# Altium PCB Carte_Mere_light.PcbDoc (part 3 of 3)
Units mm, origin at the board's own origin, x right, y up, seen from the top; angles counter-clockwise.
Board outline 100 x 70 mm, 4 copper layers (Top Copper, Ground Plane, Power Plane, Bottom Copper), stack 1.57 mm thick; 52 components, 347 nets, 458 pads, 0 vias.
Unrouted connection lines stored in the file: 262.
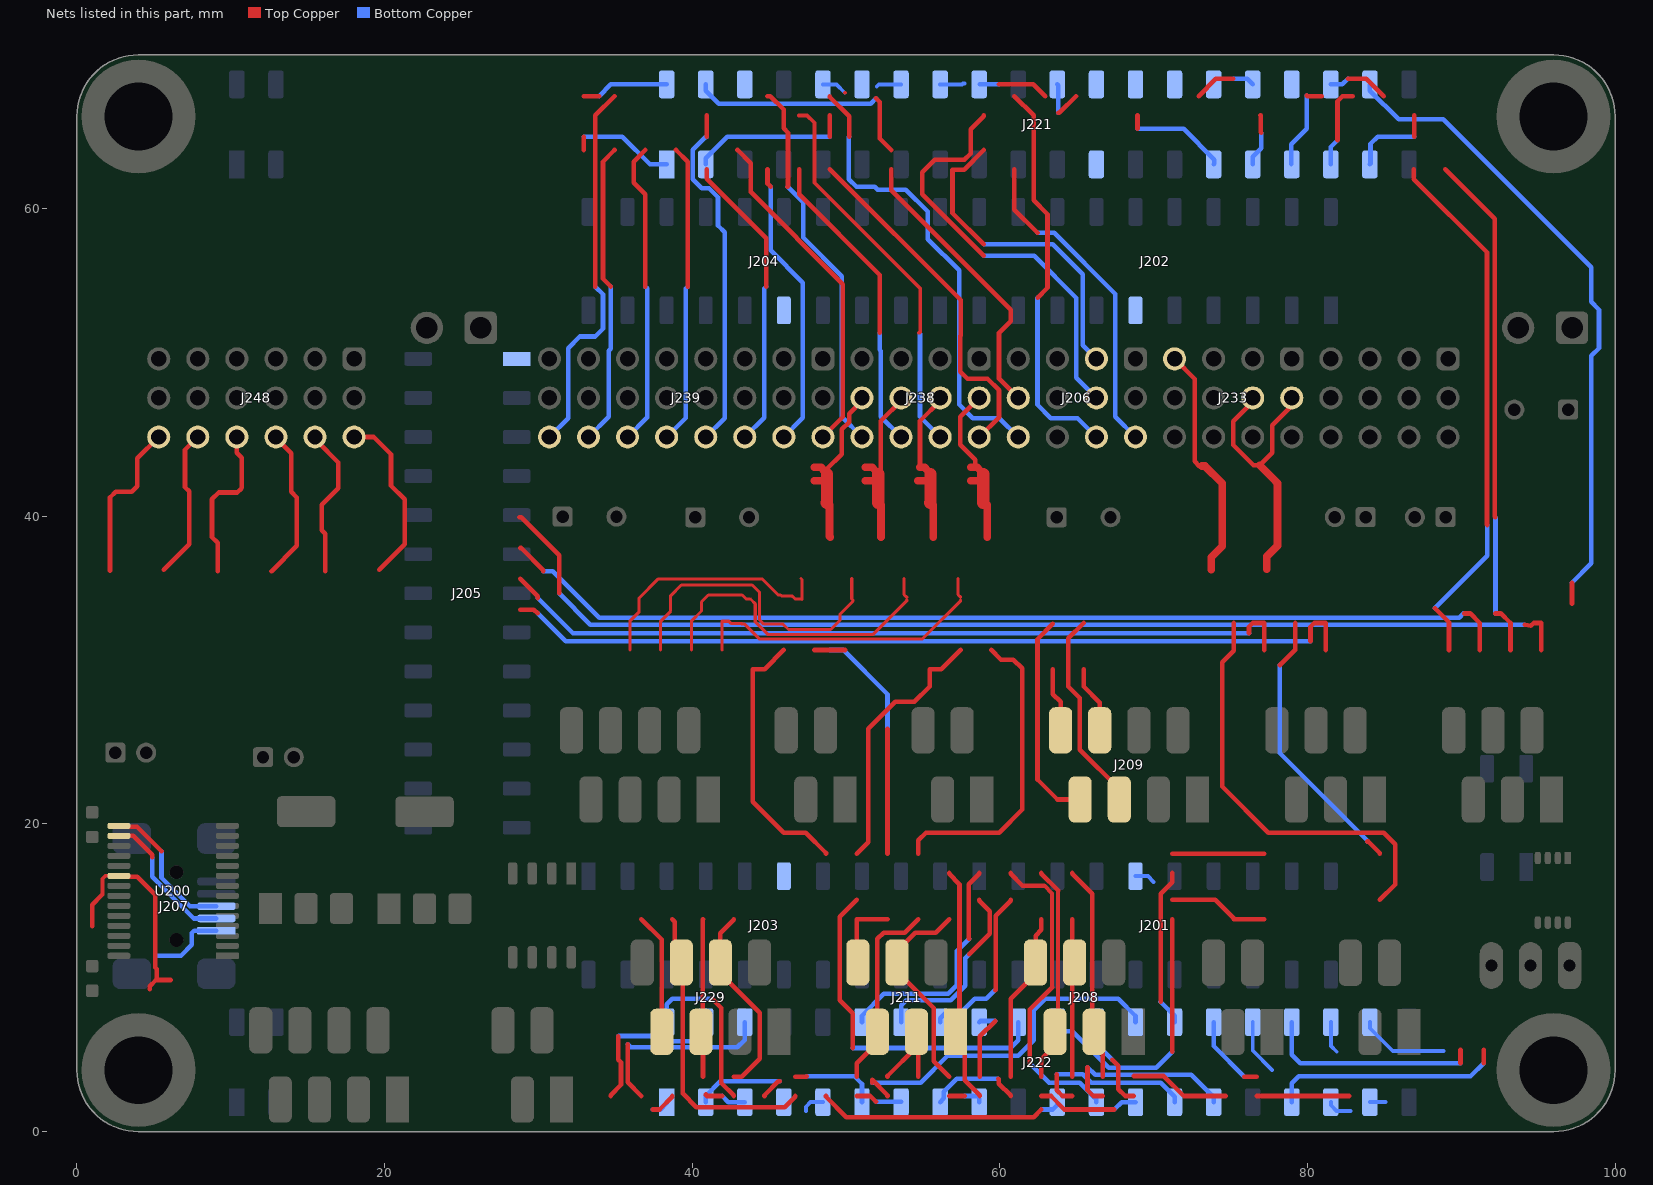
[diagram p5: the nets of this part, all layers, seen from the top]

## Nets (pads, with @x,y where several pads share a name; then routed paths per layer and width w, separated by ;. In a path a pad name is that pad's centre, name@x,y a point inside that pad or via, vN(x,y) a via of type N, cw(c..) or ccw(c..) an arc to the next point about the centre after c; other vN are vias at no path point) (continued)
PA1: J221.29 | length 7
  Top Copper w0.3: 68.95,65.19 68.95,66.065
  Bottom Copper w0.3: 68.95,65.19 71.95,65.19 73.95,63.19 73.95,62.93 J221.29@73.9,62.88
PA2: J222.36 | length 2.1
  Bottom Copper w0.25: J222.36@81.52,7.12 81.52,5.57 81.9,5.19
PA3: J222.38 | length 5.8
  Bottom Copper w0.25: J222.38@84.06,7.12 84.06,6.72 85.54,5.24 88.834,5.24
PA4: J221.31 | length 3.4
  Top Copper w0.3: 76.95,66.065 76.975,66.04 76.975,64.965 77,64.94
  Bottom Copper w0.3: J221.31@76.44,62.88 76.44,63.38 77,63.94 77,64.94
PA8: J222.24 | length 6.1
  Top Copper w0.3: 67.3,4.676 67.7,4.276 67.7,2.758 68.143,2.315 68.7,2.315
  Bottom Copper w0.3: J222.24@66.28,7.12 66.28,5.696 67.3,4.676
PA9: J222.22 | length 17.9
  Top Copper w0.3: 71.2,5.19 71.2,13.815
  Bottom Copper w0.3: J222.22@63.74,7.12 63.74,6.87 64.09,6.52 64.711,6.52 67.082,4.149 70.159,4.149 71.2,5.19
PA10: J222.34 | length 14.2
  Top Copper w0.3: 89.95,4.44 89.95,5.315
  Bottom Copper w0.3: J222.34@78.98,7.12 78.98,4.99 79.53,4.44 89.95,4.44
PA11: J222.13 | length 3
  Top Copper w0.3: 50.7,2.315 51.575,2.315 51.95,1.94
  Bottom Copper w0.3: 51.95,1.94 J222.13@53.58,1.94
PA12: J222.11 | length 5.7
  Top Copper w0.3: 46.7,3.565 47.425,3.565 47.45,3.59
  Bottom Copper w0.3: 47.45,3.59 50.55,3.59 51.04,3.1 J222.11@51.04,1.92
PA13: J221.14 | length 1.6
  Bottom Copper w0.25: 52,67.94 52.14,68.08 J221.14@53.58,68.08
PA14: J221.16 | length 1.6
  Bottom Copper w0.25: J221.16@56.12,68.08 57.54,68.08 57.6,68.14 57.7,68.14
PA15: J221.18 | length 4.6
  Top Copper w0.3: 59.95,68.08 62.185,68.08 62.95,67.315
  Bottom Copper w0.3: J221.18@58.7,68.08 59.95,68.08
PB0: J221.33 | length 5.9
  Top Copper w0.3: 79.95,67.362 79.997,67.315 80.93,67.315
  Bottom Copper w0.3: J221.33@78.95,62.91 78.95,64.19 79.95,65.19 79.95,67.362
PB1: J222.23 | length 20.4
  Top Copper w0.25: 62.87,15.99 62.896,15.99 63.4,15.487 63.4,9.39
  Top Copper w0.3: 60.7,16.815 60.7,16.765 61.475,15.99 62.87,15.99 ; 61.95,4.44 61.95,7.94 63.4,9.39
  Bottom Copper w0.3: 61.95,4.44 63.2,3.19 65.2,3.19 66.28,2.11 J222.23@66.28,1.92
PB1_SPARE: 
PB2: J222.21 | length 16.2
  Top Copper w0.3: 48.7,2.315 48.7,2.265 50.025,0.94 62.2,0.94 62.7,1.44
  Bottom Copper w0.3: 62.7,1.44 63.45,1.44 63.74,1.73 J222.21@63.74,1.92
PB3: J222.32 | length 3.6
  Bottom Copper w0.25: J222.32@76.44,7.12 76.44,5.27 77.7,4.01
PB4: J222.28 | length 10.4
  Top Copper w0.3: 70.45,8.44 70.45,15.472 71.2,16.222 71.2,16.815
  Bottom Copper w0.3: 70.447,8.438 71.36,7.525 J222.28@71.36,7.12
PB5: J222.30 | length 5.2
  Top Copper w0.3: 75.9,3.565 76.7,3.565
  Bottom Copper w0.3: J222.30@73.9,7.12 73.9,5.565 75.9,3.565
PB6: J222.18 | length 5.1
  Top Copper w0.3: 58.7,3.565 58.7,6.19 59.7,7.19
  Bottom Copper w0.3: J222.18@58.66,7.12 58.73,7.19 59.7,7.19
PB7: J221.22 | length 3.5
  Top Copper w0.3: 63.8,66.24 63.875,66.24 64.95,67.315
  Bottom Copper w0.3: J221.22@63.74,68.08 63.8,68.02 63.8,66.24
PB8: J222.4 | length 10.8
  Top Copper w0.3: 34.7,2.315 34.7,2.365 35.375,3.04 35.375,4.5 35.2,4.675 35.2,6.19
  Bottom Copper w0.3: 35.2,6.19 35.227,6.217 37.436,6.217 37.783,5.87 40.03,5.87 40.88,6.72 J222.4@40.88,7.12
PB9: J222.6 | length 12.8
  Top Copper w0.3: 35.8,5.69 35.8,3.215 36.7,2.315
  Bottom Copper w0.3: 35.8,5.69 36.01,5.48 42.94,5.48 43.42,5.96 J222.6@43.42,7.12
PB10: J222.26 | length 23
  Top Copper w0.3: 51.7,3.19 51.7,3.365 52.7,2.365 52.7,2.315
  Bottom Copper w0.3: 51.7,3.19 54.85,3.19 56.6,4.94 61.2,4.94 62.2,5.94 62.2,7.89 62.95,8.64 67.7,8.64 68.82,7.52 J222.26@68.82,7.12
PB11: J222.17 | length 2.3
  Top Copper w0.3: 56.7,2.315 57.7,2.315
  Bottom Copper w0.3: 57.7,2.315 58.535,2.315 58.66,2.19 J222.17@58.66,1.92
PB12: J222.15 | length 6.1
  Top Copper w0.3: 59.902,3.44 59.94,3.402 59.94,3.125 60.7,2.365 60.7,2.315
  Bottom Copper w0.3: J222.15@56.12,1.92 56.362,2.162 56.362,2.602 57.2,3.44 59.902,3.44
PB13: J222.29 | length 12
  Top Copper w0.3: 65.7,4.19 65.7,2.69 66.075,2.315 66.7,2.315
  Bottom Copper w0.3: 65.7,4.19 66.2,3.69 72.45,3.69 73.9,2.24 J222.29@73.9,1.92
PB14: J222.27 | length 10.8
  Top Copper w0.3: 63.7,3.74 63.7,2.69 64.075,2.315 64.7,2.315
  Bottom Copper w0.3: 63.7,3.74 65.4,3.74 65.95,3.19 70.45,3.19 71.36,2.28 J222.27@71.36,1.92
PB15: J222.25 | length 6.7
  Top Copper w0.3: 62.7,2.315 63.325,2.315 64.2,1.44 67.45,1.44
  Bottom Copper w0.3: 67.45,1.44 67.933,1.923 68.817,1.923 J222.25@68.82,1.92
PC0: J221.37 | length 5.8
  Top Copper w0.3: 86.95,64.69 86.95,66.065
  Bottom Copper w0.3: J221.37@84.06,62.88 84.1,62.92 84.1,64.23 84.56,64.69 86.95,64.69
PC1: J221.35 | length 5.4
  Top Copper w0.3: 81.95,64.44 81.95,66.99 82.275,67.315 82.95,67.315
  Bottom Copper w0.3: J221.35@81.52,62.88 81.52,64.01 81.95,64.44
PC2: J221.36 | length 4
  Top Copper w0.3: 82.633,68.44 83.825,68.44 84.95,67.315
  Bottom Copper w0.3: J221.36@81.52,68.08 82.273,68.08 82.633,68.44
PC3: J221.38 | length 42.4
  Top Copper w0.3: 97.2,34.315 97.2,35.69
  Bottom Copper w0.3: J221.38@84.06,68.08 84.06,67.68 85.927,65.813 88.827,65.813 98.45,56.19 98.45,53.94 98.95,53.44 98.95,50.94 98.45,50.44 98.45,36.94 97.2,35.69
PC4: J222.33 | length 15.1
  Top Copper w0.3: 91.45,4.44 91.45,5.315
  Bottom Copper w0.3: J222.33@78.98,1.92 78.98,3.14 79.43,3.59 90.6,3.59 91.45,4.44
PC5: J222.5 | length 2.8
  Top Copper w0.3: 40.9,2.44 40.9,2.365 40.95,2.315 41.95,2.315
  Bottom Copper w0.3: 41.95,2.315 42.345,1.92 J222.5@43.42,1.92
PC6: J222.3 | length 7
  Top Copper w0.3: 44.7,2.315 44.7,2.365 45.6,3.265 45.7,3.265
  Bottom Copper w0.3: J222.3@40.88,1.92 40.88,2.32 41.825,3.265 45.7,3.265
PC7: J222.20 | length 22.6
  Top Copper w0.3: 50.45,5.44 50.45,7.69 49.6,8.54 49.6,13.965 50.7,15.065
  Bottom Copper w0.3: 50.45,5.44 60.7,5.44 61.2,5.94 J222.20@61.2,7.12
PC8: J222.1 | length 2.7
  Top Copper w0.3: 37.45,1.44 37.875,1.44 38.7,2.265 38.7,2.315
  Bottom Copper w0.3: 37.45,1.44 37.455,1.435 37.915,1.435 J222.1@38.34,1.86
PC9: J222.2 | length 11.2
  Top Copper w0.3: 41.3,8.64 41.9,8.04 41.9,3.165 42.7,2.365 42.7,2.315
  Bottom Copper w0.3: J222.2@38.34,7.12 38.34,8.28 38.7,8.64 41.3,8.64
PC10: J221.2 | length 5.7
  Top Copper w0.3: 32.95,67.315 33.95,67.315
  Bottom Copper w0.3: 33.95,67.315 34.715,68.08 J221.2@38.34,68.08
PC11: J221.1 | length 7
  Top Copper w0.3: 32.95,63.815 32.95,64.69
  Bottom Copper w0.3: 32.95,64.69 35.45,64.69 37.26,62.88 J221.1@38.34,62.88
PC12: J221.4 | length 15.8
  Top Copper w0.3: 51.95,67.19 52.2,66.94 52.2,64.565 52.95,63.815
  Bottom Copper w0.3: J221.4@40.88,68.08 40.88,67.68 41.73,66.83 51.597,66.83 51.95,67.183 51.95,67.19
PC13: J221.24
PC14: J221.26
PC15: J221.28
PD2: J221.3 | length 10.4
  Top Copper w0.3: 48.95,64.69 48.95,66.065
  Bottom Copper w0.3: J221.3@40.88,62.88 40.88,63.28 41.752,64.152 41.752,64.168 42.275,64.69 48.95,64.69
PD8: J222.9 | length 1.5
  Bottom Copper w0.25: 47.4,1.34 47.4,1.62 47.7,1.92 J222.9@48.5,1.92
PF0: J221.30
PF1: J221.32 | length 4.1
  Top Copper w0.3: 72.921,67.315 74.046,68.44 75.168,68.44
  Bottom Copper w0.3: 75.168,68.44 76.09,68.44 76.44,68.09 J221.32@76.44,68.08
PF4: J222.37 | length 1
  Bottom Copper w0.25: J222.37@84.06,1.92 85.08,1.92
PF5: J222.35 | length 1.6
  Bottom Copper w0.25: J222.35@81.52,1.92 81.52,1.713 81.893,1.34 82.79,1.34
PF6: J221.10 | length 1.7
  Top Copper w0.25: 49.915,67.54 49.95,67.54
  Bottom Copper w0.25: J221.10@48.5,68.08 49.375,68.08 49.915,67.54
PF7: J221.12
PROP_DIR1: J211.5 | length 12.7
  Top Copper w0.3: 50.7,3.565 50.7,4.44 52.04,5.78 J211.5@52.04,6.49 52.04,12.53 52.45,12.94 53.825,12.94 54.7,13.815
PROP_DIR2: J211.6 | length 4.9
  Top Copper w0.3: J211.6@50.77,10.99 50.7,11.06 50.7,13.815 52.7,13.815
PROP_EN: J211.1 | length 15.6
  Top Copper w0.3: 56.7,16.815 56.7,16.765 57.375,16.09 57.375,6.865 J211.1@57,6.49 ; J211.1@57.12,6.49 57.72,5.89 57.72,3.345 58.7,2.365 58.7,2.315
PROP_S1-Rx: J211.3 | length 5.7
  Top Copper w0.3: 52.7,3.565 52.7,3.615 J211.3@54.58,5.495 ; J211.3@54.58,6.49 J211.3@54.58,5.495 ; 54.7,3.565 54.7,5.375 J211.3@54.58,5.495
PROP_S2-Tx: J211.4 | length 13.8
  Top Copper w0.3: 56.7,3.565 55.7,4.565 55.7,8.04 53.31,10.43 J211.4@53.31,10.99 53.31,11.74 54.51,12.94 55.825,12.94 56.7,13.815
PWR_Servo_1: J238.2 | length 10.9
  Top Copper w0.3: 58.4,43.14 58.4,43.19 58.4,43.681 57.43,44.651 57.43,46.47 J238.2@58.66,47.7
  Top Copper w0.5: 58.1,42.32 58.534,42.32 ; 58.1,43.19 58.4,43.19 58.534,43.19 58.927,42.755 ; 59.176,38.66 59.176,40.74
  Top Copper w0.8: 58.902,40.876 58.927,40.901 58.927,42.755
PWR_Servo_2: J238.5 | length 10.3
  Top Copper w0.3: 54.81,43.19 54.81,46.198 56.12,47.508 J238.5@56.12,47.7
  Top Copper w0.5: 54.671,42.32 55.105,42.32 ; 54.81,43.19 55.105,43.19 55.498,42.755 ; 55.676,38.66 55.676,40.74
  Top Copper w0.8: 55.473,40.876 55.498,40.901 55.498,42.755
PWR_Servo_3: J238.8 | length 10.7
  Top Copper w0.3: 52.27,42.94 52.27,46.198 53.58,47.508 J238.8@53.58,47.7
  Top Copper w0.5: 51.273,42.32 51.707,42.32 ; 51.273,43.19 51.707,43.19 52.1,42.755 ; 52.276,38.66 52.276,40.74
  Top Copper w0.8: 52.075,40.876 52.1,40.901 52.1,42.755
PWR_Servo_4: J238.11 | length 11.3
  Top Copper w0.3: 48.767,42.755 48.767,43.086 49.73,44.049 49.73,45.655 50.2,46.125 50.2,46.668 51.04,47.508 J238.11@51.04,47.7
  Top Copper w0.5: 47.94,42.32 48.374,42.32 ; 47.94,43.19 48.374,43.19 48.602,42.937 48.767,42.755 ; 48.926,40.74 48.926,38.71 48.976,38.66
  Top Copper w0.8: 48.742,40.876 48.767,40.901 48.767,42.755
QEI_M1_A:  | length 17.3
  Top Copper w0.3: 45.96,31.315 44.71,30.065 43.95,30.065 43.95,21.44 45.95,19.44 47.375,19.44 48.7,18.115 48.7,18.065
QEI_M1_B:  | length 17.3
  Top Copper w0.3: 47.95,31.315 48.95,31.315 49.95,31.315 ; 52.7,18.065 52.7,26.19
  Bottom Copper w0.3: 48.95,31.315 49.825,31.315 52.7,28.44 52.7,26.19
QEI_M2_A:  | length 17.2
  Top Copper w0.3: 50.7,18.065 51.45,18.815 51.45,26.19 53.2,27.94 54.45,27.94 55.45,28.94 55.45,30.065 56.2,30.065 57.45,31.315
QEI_M2_B:  | length 20.1
  Top Copper w0.3: 54.7,18.065 54.7,18.94 55.2,19.44 59.95,19.44 61.45,20.94 61.45,30.065 61.45,30.115 60.875,30.69 60.075,30.69 59.45,31.315
QEI_P1_A:  | length 6.5
  Top Copper w0.3: 71.2,15.065 73.15,15.065 74,15.065 75.2,13.865 75.2,13.815 77.2,13.815
QEI_P1_B:  | length 6.5
  Top Copper w0.3: 68.7,3.615 70.65,3.615 70.7,3.565 71.95,2.315 72.7,2.315 72.705,2.32 74.695,2.32 74.7,2.315
QEI_P2_A:  | length 6
  Top Copper w0.3: 71.2,18.065 73.15,18.065 75.2,18.065 77.2,18.065
QEI_P2_B:  | length 6
  Top Copper w0.3: 76.7,2.315 78.7,2.315 80.7,2.315 82.7,2.315
Servo_1: J238.3 | length 23.3
  Top Copper w0.3: 48.95,62.565 57.45,54.065 57.45,51.748 57.43,51.728 57.43,49.41 57.9,48.94 59.2,48.94 59.95,48.19 59.95,46.45 J238.3@58.66,45.16
Servo_2: J238.6 | length 25
  Top Copper w0.25: 46.95,66.065 47.475,66.065 47.95,65.59 47.95,61.69 54.825,54.815 54.825,51.98 54.785,51.94 54.735,51.94
  Bottom Copper w0.3: 54.81,51.865 54.81,46.47 J238.6@56.12,45.16
Servo_3: J238.9 | length 20.2
  Top Copper w0.3: 46.95,62.565 46.95,60.94 52.2,55.69 52.2,51.94
  Bottom Copper w0.3: 52.2,51.94 52.2,50.819 52.27,50.749 52.27,46.47 J238.9@53.58,45.16
Servo_4: J238.12 | length 24.8
  Top Copper w0.3: 44.9,67.315 45.086,67.315 45.95,66.451 45.95,65.222 46.227,64.945 46.227,61.467 46.2,61.44
  Bottom Copper w0.3: 46.2,61.44 47.21,60.43 47.21,58.128 49.73,55.608 49.73,46.47 J238.12@51.04,45.16
Servo_5: J239.3 | length 22.1
  Top Copper w0.3: 42.95,63.815 43.8,62.965 43.8,61.09 49.8,55.09 49.8,46.46 J239.3@48.5,45.16 J239.3@48.432,45.092
Servo_6: J239.6 | length 18.9
  Top Copper w0.3: 44.9,62.565 44.9,61.64 45.1,61.44
  Bottom Copper w0.3: 45.1,61.44 45.1,57.29 47.2,55.19 47.2,46.4 J239.6@45.96,45.16
Servo_7: J239.9 | length 19.6
  Top Copper w0.3: 40.95,62.565 40.95,61.94 44.805,58.085 44.805,54.94
  Bottom Copper w0.3: J239.9@43.42,45.16 44.68,46.42 44.68,54.815 44.805,54.94
Servo_8: J239.12 | length 23
  Top Copper w0.3: 40.95,64.69 40.95,66.065
  Bottom Copper w0.3: J239.12@40.88,45.16 42.11,46.39 42.11,58.478 41.68,58.908 41.68,60.756 41.097,61.339 40.613,61.339 40.03,61.923 40.03,63.837 40.844,64.652 40.912,64.652 40.95,64.69
Servo_9: J239.15 | length 19.5
  Top Copper w0.3: 38.95,63.815 39.7,63.065 39.7,54.935
  Bottom Copper w0.3: J239.15@38.34,45.16 39.575,46.395 39.575,54.81 39.7,54.935
Servo_10: J239.18 | length 19.9
  Top Copper w0.3: 36.95,63.815 36.2,63.065 36.2,61.69 36.955,60.935 36.955,54.935
  Bottom Copper w0.3: J239.18@35.8,45.16 37.07,46.43 37.07,54.82 36.955,54.935
Servo_11: J239.21 | length 19.8
  Top Copper w0.3: 34.7,54.94 34.2,55.44 34.2,63.065 34.95,63.815
  Bottom Copper w0.3: J239.21@33.26,45.16 34.57,46.47 34.57,50.775 34.7,50.905 34.7,54.94
Servo_12: J239.24 | length 24.9
  Top Copper w0.3: 33.7,54.935 33.7,60.19 33.7,66.065 34.95,67.315
  Bottom Copper w0.3: J239.24@30.72,45.16 31.95,46.39 31.95,50.94 32.7,51.69 33.7,51.69 34.2,52.19 34.2,54.435 33.7,54.935
Servo_Curr_1:  | length 20.2
  Top Copper w0.2: 41.95,31.315 41.95,33.19 41.958,33.182 42.383,33.182 42.517,33.048 43.206,33.048 43.264,32.99 ; 43.25,32.99 43.264,32.99 ; 57.276,35.96 57.276,34.914 57.45,34.74 ; 57.45,34.565 57.45,34.515 54.975,32.04 44.359,32.04 43.409,32.99 43.264,32.99
Servo_Curr_2:  | length 20.9
  Top Copper w0.2: 39.95,31.315 39.95,33.19 40.605,33.845 40.605,34.445 41.05,34.89 43.25,34.89 43.5,34.64 43.767,34.64 43.817,34.59 43.822,34.59 44.1,34.312 44.1,33.14 44.91,32.33 51.765,32.33 53.95,34.515 53.95,34.565 ; 53.776,35.96 53.776,34.914 53.95,34.74
Servo_Curr_3:  | length 20.7
  Top Copper w0.2: 37.95,31.315 37.95,33.19 38.6,33.84 38.6,34.84 39.3,35.54 43.9,35.54 44.39,35.05 44.39,33.26 44.66,32.99 45.909,32.99 46.259,32.64 49,32.64 49.605,33.245 49.605,33.645 50.45,34.49 50.45,34.565 50.376,34.639 50.376,35.96
Servo_Curr_4:  | length 16.7
  Top Copper w0.2: 35.95,31.315 35.95,33.19 36.55,33.79 36.55,34.69 37.8,35.94 44.541,35.94 45.3,35.181 45.591,34.89 45.75,34.89 45.808,34.832 46.483,34.832 46.692,34.623 47.105,34.623 47.138,34.59 47.138,35.898 47.076,35.96
SigCAPT_7: J248.3 | length 11.4
  Top Copper w0.3: J248.3@18.02,45.16 19.3,45.16 20.42,44.04 20.42,42.003 21.305,41.118 21.305,38.18 19.655,36.53
SigCAPT_8: J248.6 | length 9.8
  Top Copper w0.3: J248.6@15.66,45.16 15.66,44.842 17,43.502 17,41.82 15.93,40.75 15.93,39.1 16.155,38.875 16.155,36.43
SigCAPT_9: J248.9 | length 9.9
  Top Copper w0.3: 12.655,36.43 14.305,38.08 14.305,41.225 13.93,41.6 13.93,44.11 13.12,44.92 J248.9@13.12,45.16
SigCAPT_10: J248.12 | length 10.5
  Top Copper w0.3: 9.155,36.43 9.155,38.285 8.78,38.66 8.78,41.1 9.232,41.552 10.433,41.552 10.678,41.797 10.678,41.81 10.726,41.858 10.726,43.814 10.4,44.14 J248.12@10.4,45.16
SigCAPT_11: J248.15 | length 9.8
  Top Copper w0.3: 5.655,36.53 7.305,38.18 7.305,41.625 7.03,41.9 7.03,44.33 J248.15@7.86,45.16
SigCAPT_12: J248.18 | length 10.6
  Top Copper w0.3: 2.155,36.47 2.155,38.18 2.155,41.225 2.53,41.6 3.567,41.6 3.933,41.966 3.933,43.773 J248.18@5.32,45.16
SPI1_MISO: J222.14 | length 12.3
  Top Copper w0.3: 58,11.54 58.005,11.54 59.335,12.87 59.335,14.34 58.66,15.015 58.66,15.065
  Bottom Copper w0.3: J222.14@53.58,7.12 53.58,8.208 53.922,8.55 56.81,8.55 57.745,9.485 57.745,11.285 58,11.54
SPI1_MOSI: J222.16 | length 10.9
  Top Copper w0.3: 59.7,9.19 59.725,9.215 59.725,14.04 60.7,15.015 60.7,15.065
  Bottom Copper w0.3: J222.16@56.12,7.12 56.12,7.37 56.47,7.72 57.453,7.72 58.373,8.64 59.129,8.64 59.679,9.19 59.7,9.19
SPI1_SCK: J222.12 | length 15.3
  Top Copper w0.3: 58,12.54 57.985,12.555 57.985,16.09 58.66,16.765 58.66,16.815
  Bottom Copper w0.3: J222.12@51.04,7.12 51.04,7.54 52.46,8.96 56.636,8.96 57.2,9.524 57.2,11.74 58,12.54
SPI2_CS_1: J208.6 | length 11.1
  Top Copper w0.3: 60.7,3.565 60.7,8.64 62.325,10.265 J208.6@62.325,10.99 62.325,12.74 62.7,13.115 62.7,13.815
SPI2_MISO: J208.4 | length 10.4
  Top Copper w0.3: 64.7,3.565 64.7,10.825 J208.4@64.865,10.99 64.7,11.155 64.7,13.815
SPI2_MOSI: J208.5 | length 14.1
  Top Copper w0.25: J208.5@63.78,6.635 63.79,6.645 63.79,15.675
  Top Copper w0.3: 62.7,3.565 62.7,4.723 63.595,5.618 J208.5@63.595,6.49 J208.5@63.74,6.635 ; 62.7,16.815 62.7,16.765 63.79,15.675
SPI2_SCK: J208.3 | length 14.1
  Top Copper w0.3: 64.7,16.815 64.7,16.765 66,15.465 66,6.625 J208.3@66.135,6.49 66.152,6.473 66.152,5.638 66.7,5.09 66.7,3.565
SPI3_CS_1: J206.6 | length 25.9
  Top Copper w0.3: 60.95,67.315 62.2,66.065 62.2,60.551 63.1,59.651 63.1,54.86 62.46,54.22 62.46,54.2
  Bottom Copper w0.3: 62.45,54.21 62.45,47.251 63.311,46.39 65.05,46.39 J206.6@66.28,45.16
SPI3_MISO: J206.4 | length 21.4
  Top Copper w0.3: 58.95,57.69 56.925,59.715 56.925,62.365 56.925,62.54 57.675,62.54 58.95,63.815
  Bottom Copper w0.3: 58.95,57.69 63.45,57.69 65.4,55.74 65.4,51.12 J206.4@66.28,50.24
SPI3_MOSI: J206.5 | length 27.8
  Top Copper w0.3: 58.95,56.94 54.947,60.943 54.947,62.365 55.772,63.19 57.7,63.19 58.1,63.59 58.1,65.165 58.95,66.015 58.95,66.065
  Bottom Copper w0.3: 58.95,56.94 62.225,56.94 64.97,54.195 64.97,49.01 J206.5@66.28,47.7
SPI3_SCK: J206.3 | length 21.3
  Top Copper w0.3: 60.95,62.565 60.95,59.94 62.45,58.44
  Bottom Copper w0.3: 62.45,58.44 63.525,58.44 67.51,54.455 67.51,46.47 J206.3@68.82,45.16
SSI_M1_CLK1:  | length 56
  Top Copper w0.3: 28.825,33.94 29.7,33.94 29.95,33.69 ; 80.2,31.89 80.2,32.815 80.45,33.065 81.2,33.065 81.2,31.315
  Bottom Copper w0.3: 29.97,33.69 31.77,31.89 80.2,31.89
SSI_M1_CLK2:  | length 52.2
  Top Copper w0.3: 28.825,35.94 29.95,34.815 29.95,34.69 ; 76.2,32.39 76.2,32.815 76.45,33.065 77.2,33.065 77.2,31.315
  Bottom Copper w0.3: 29.95,34.69 32.25,32.39 76.2,32.39
SSI_M1_DAT1:  | length 18.2
  Top Copper w0.3: 78.2,30.34 78.225,30.34 79.2,31.315 79.2,33.065 ; 83.888,18.865 83.95,18.865 84.7,18.115 84.7,18.065
  Bottom Copper w0.3: 78.2,30.34 78.2,24.615 83.888,18.927 83.888,18.865
SSI_M1_DAT2:  | length 27.8
  Top Copper w0.3: 75.2,33.065 75.2,31.315 75.2,31.265 74.45,30.515 74.45,22.44 77.45,19.44 84.95,19.44 85.7,18.69 85.7,16.065 84.7,15.065
SSI_M2_CLK1:  | length 72.6
  Top Copper w0.3: 28.775,39.94 28.825,39.94 28.875,39.94 31.35,37.465 31.35,34.99 ; 94.13,32.965 94.525,32.89 94.7,33.065 95.2,33.065 95.2,31.315
  Bottom Copper w0.3: 31.35,34.99 33.375,32.965 94.13,32.965
SSI_M2_CLK2:  | length 66.4
  Top Copper w0.3: 28.825,37.94 28.875,37.94 30.325,36.49 30.325,36.44 ; 90.2,33.688 90.577,33.688 91.2,33.065 91.2,31.315
  Bottom Copper w0.3: 30.325,36.44 30.925,36.44 33.952,33.413 89.871,33.413 90.146,33.688 90.2,33.688
SSI_M2_DAT1:  | length 33.3
  Top Copper w0.3: 88.95,62.565 92.17,59.345 92.17,39.97 92.2,39.94 ; 92.2,33.688 92.577,33.688 93.2,33.065 93.2,31.315
  Bottom Copper w0.3: 92.2,33.688 92.227,33.715 92.227,39.913 92.2,39.94
SSI_M2_DAT2:  | length 35
  Top Copper w0.3: 86.92,62.565 86.92,61.921 91.673,57.168 91.673,39.467 91.7,39.44 ; 88.288,34.021 88.294,34.021 89.2,33.115 89.2,33.065 89.2,31.315
  Bottom Copper w0.3: 88.288,34.021 91.7,37.434 91.7,39.44
STM_Rx: J206.12 | length 30
  Top Copper w0.3: 48.95,67.315 48.95,67.265 50.2,66.015 50.2,64.69
  Bottom Copper w0.3: 50.2,64.69 50.19,64.68 50.19,61.923 50.683,61.43 51.862,61.43 52.052,61.24 53.896,61.24 55.32,59.816 55.32,58.02 57.35,55.99 57.35,47.271 58.231,46.39 59.97,46.39 J206.12@61.2,45.16
STM_Tx: J206.11 | length 18.9
  Top Copper w0.3: 52.95,62.565 52.95,61.19 60.7,53.44 60.7,52.69 59.95,51.94 59.95,48.95 J206.11@61.2,47.7
SW_1: J229.5 | length 10.4
  Top Copper w0.3: 40.7,3.565 40.7,6.355 J229.5@40.565,6.49 40.69,6.615 40.69,13.805 40.7,13.815
SW_2: J229.6 | length 19.6
  Top Copper w0.3: 38.7,13.815 38.875,13.64 38.875,11.433 39.375,10.933 39.375,2.483 40.268,1.59 46.025,1.59 46.7,2.265 46.7,2.315
SW_3: J229.7 | length 7.9
  Top Copper w0.3: 36.7,13.815 38.025,12.49 J229.7@38.025,6.49
SW_TIRETTE: J229.4 | length 12.7
  Top Copper w0.3: 42.7,3.565 43.225,3.565 44.4,4.74 44.4,7.74 41.835,10.305 J229.4@41.835,10.99 41.835,12.9 42.7,13.765 42.7,13.815
ToF_DS_1: J209.5 | length 13.3
  Top Copper w0.3: 65.45,33.065 64.45,32.065 64.45,28.94 65.2,28.19 65.2,24.84 67.765,22.275 J209.5@67.765,21.59
ToF_DS_2: J209.6 | length 4.4
  Top Copper w0.3: 65.45,30.065 65.45,28.94 66.495,27.895 J209.6@66.495,26.09
ToF_DS_3: J209.7 | length 13.9
  Top Copper w0.3: 63.45,33.015 62.45,32.015 62.45,22.89 63.75,21.59 J209.7@65.225,21.59
ToF_DS_4: J209.8 | length 4.2
  Top Copper w0.3: 63.45,30.065 63.45,28.44 63.955,27.935 J209.8@63.955,26.09
U5V: J222.7
USB_N: J207.2 U200.16 | length 9.4
  Top Copper w0.3: U200.16@2.73,19.23 3.66,19.23 4.9,17.99 4.9,17.84
  Bottom Copper w0.3: 4.9,17.84 4.9,16.562 7.603,13.859 J207.2@9.07,13.859
USB_P: J207.3 U200.15 | length 9.5
  Top Copper w0.3: U200.15@2.73,19.88 2.78,19.83 3.91,19.83 5.5,18.24
  Bottom Copper w0.3: 5.5,18.24 5.5,16.514 7.355,14.659 J207.3@9.07,14.659
VBAT: J221.34
VCC_3V3_1: J201.9 | length 1.3
  Bottom Copper w0.25: J201.9@68.82,16.61 69.63,16.61 70,16.24
VCC_3V3_2: J204.9
VCC_3V3_3: J205.1
VCC_5V_1: J203.11
VCC_5V_2: J202.11
VCC_EXT_1: J233.2 J233.5 | length 18.6
  Top Copper w0.3: J233.5@76.44,47.7 76.44,47.446 75.17,46.176 75.17,44.64 76.494,43.316 76.694,43.316 76.894,43.316 77.71,44.132 77.71,45.922 78.98,47.192 J233.2@78.98,47.7
  Top Copper w0.5: 76.894,43.316 77.77,42.44 78.05,42.16 78.05,41.69 78.05,38.844 ; 77.352,36.564 77.352,37.392 78.052,38.092 78.052,38.844
VCC_EXT_2: J233.10 | length 15.5
  Top Copper w0.3: J233.10@71.36,50.24 72.67,48.93 72.67,43.57 72.97,43.27 73.138,43.27
  Top Copper w0.5: 73.138,43.27 73.338,43.27 74.45,42.158 74.45,41.69 74.45,38.861 74.45,38.05 73.75,37.35 73.75,36.54
VDD: J221.6
VIN: J221.23
VUSB: J207.1 U200.20 | length 19.8
  Top Copper w0.23: 1.63,15.39 1.665,15.425 1.665,16.438 1.857,16.63 U200.20@2.73,16.63
  Top Copper w0.3: 0.995,13.355 0.995,14.705 0.995,14.755 1.63,15.39 ; U200.20@2.68,16.58 U200.20@2.73,16.63 2.78,16.58 3.923,16.58 5.1,15.403 5.1,11.44 5.1,10.673 5.2,10.573 5.2,9.86 ; 4.745,9.259 4.745,9.459 5.145,9.859 6.095,9.859
  Bottom Copper w0.3: 5.1,11.44 6.766,11.44 7.475,12.149 7.475,12.915 7.619,13.059 J207.1@9.07,13.059
pads on no net: J200.3 J200.4 J207.4 J207.MH1 J207.MH2 J219.1 J219.3 J220.2 J220.4 J221.9 J221.25 J221.39 J221.40 J222.39 J222.40 J240.2 U200.2 U200.3 U200.6 U200.8 U200.9 U200.10 U200.11 U200.12 U200.13 U200.14 U200.19 U200.24 U200.27 U200.28 U201.5

## Polygon pours and split planes (outlines as drawn)
GND on Top Copper "GND_L01_P000" (solid, pour order 0): 4,0 96,0 ccw(c96,4) 100,4 100,66 ccw(c96,66) 96,70 4,70 ccw(c4,66) 0,66 0,4 ccw(c4,4)
GND on Bottom Copper "GND_L04_P002" (solid, pour order 2): 4,0 96,0 ccw(c96,4) 100,4 100,66 ccw(c96,66) 96,70 4,70 ccw(c4,66) 0,66 0,4 ccw(c4,4)
GND on Ground Plane (split plane): 4,69.49 96,69.49 96.016,69.491 96.249,69.483 96.497,69.456 96.742,69.412 96.984,69.35 97.22,69.272 97.45,69.176 97.673,69.065 97.888,68.937 98.092,68.795 98.287,68.639 98.469,68.469 98.639,68.287 98.795,68.092 98.937,67.888 99.065,67.673 99.176,67.45 99.272,67.22 99.35,66.984 99.412,66.742 99.456,66.497 99.483,66.249 99.491,66.016 99.49,66 99.49,4 99.491,3.984 99.483,3.751 99.456,3.503 99.412,3.258 99.35,3.016 99.272,2.78 99.176,2.55 99.065,2.327 98.937,2.112 98.795,1.908 98.639,1.713 98.469,1.531 98.287,1.361 98.092,1.205 97.888,1.063 97.673,0.935 97.45,0.824 97.22,0.728 96.984,0.65 96.742,0.588 96.497,0.544 96.249,0.517 96.016,0.509 96,0.51 4,0.51 3.984,0.509 3.751,0.517 3.503,0.544 3.258,0.588 3.016,0.65 2.78,0.728 2.55,0.824 2.327,0.935 2.112,1.063 1.908,1.205 1.713,1.361 1.531,1.531 1.361,1.713 1.205,1.908 1.063,2.112 0.935,2.327 0.824,2.55 0.728,2.78 0.65,3.016 0.588,3.258 0.544,3.503 0.517,3.751 0.509,3.984 0.51,4 0.51,66 0.509,66.016 0.517,66.249 0.544,66.497 0.588,66.742 0.65,66.984 0.728,67.22 0.824,67.45 0.935,67.673 1.063,67.888 1.205,68.092 1.361,68.287 1.531,68.469 1.713,68.639 1.908,68.795 2.112,68.937 2.327,69.065 2.55,69.176 2.78,69.272 3.016,69.35 3.258,69.412 3.503,69.456 3.751,69.483 3.984,69.491
3L on Power Plane (split plane): 66.624,51.708 66.624,42.516 62.2,42.516 62.171,42.511 62.158,42.502 62.146,42.494 61.168,41.516 60.276,41.516 60.276,52.864 65.468,52.864
3L on Power Plane (split plane): 60.124,52.908 60.124,41.516 57.276,41.516 57.276,54.364 58.668,54.364
3L on Power Plane (split plane): 80.124,50.908 80.124,46.472 79.146,45.494 79.129,45.469 79.124,45.44 79.124,39.972 78.668,39.516 75.732,39.516 75.276,39.972 75.276,50.908 75.732,51.364 79.668,51.364
3L on Power Plane (split plane): 75.124,50.908 75.124,39.972 74.668,39.516 70.732,39.516 70.276,39.972 70.276,50.908 70.732,51.364 74.668,51.364
3L on Power Plane (split plane): 56.924,64.508 56.924,61.84 56.929,61.811 56.946,61.786 60.024,58.708 60.024,58.072 59.668,57.716 58.032,57.716 54.976,60.772 54.976,64.708 55.332,65.064 56.368,65.064
3L on Power Plane (split plane): 57.124,41.516 53.776,41.516 53.776,43.408 54.754,44.386 54.762,44.398 54.771,44.411 54.776,44.44 54.776,54.364 57.124,54.364
3L on Power Plane (split plane): 54.624,44.472 53.646,43.494 53.629,43.469 53.624,43.44 53.624,41.516 50.776,41.516 50.776,43.408 52.254,44.886 52.262,44.898 52.271,44.911 52.276,44.94 52.276,54.364 54.624,54.364
3L on Power Plane (split plane): 91.624,49.408 91.624,38.972 90.668,38.016 87.776,38.016 87.776,51.364 89.668,51.364
3L on Power Plane (split plane): 87.624,38.016 85.276,38.016 85.276,38.94 85.271,38.969 85.254,38.994 85.004,39.244 84.979,39.261 84.95,39.266 82.982,39.266 82.776,39.472 82.776,42.408 85.254,44.886 85.271,44.911 85.276,44.94 85.276,51.364 87.624,51.364
3L on Power Plane (split plane): 95.624,29.908 95.624,28.472 95.168,28.016 82.732,28.016 82.276,28.472 82.276,29.908 82.732,30.364 95.168,30.364
3L on Power Plane (split plane): 85.124,44.972 82.646,42.494 82.629,42.469 82.624,42.44 82.624,39.44 82.629,39.411 82.646,39.386 82.896,39.136 82.921,39.119 82.95,39.114 84.918,39.114 85.124,38.908 85.124,38.016 81.026,38.016 81.026,43.658 82.754,45.386 82.762,45.398 82.771,45.411 82.776,45.44 82.776,51.364 85.124,51.364
3L on Power Plane (split plane): 82.624,45.472 80.896,43.744 80.879,43.719 80.874,43.69 80.874,38.016 80.232,38.016 78.808,39.44 79.254,39.886 79.271,39.911 79.276,39.94 79.276,45.408 80.254,46.386 80.262,46.398 80.271,46.411 80.276,46.44 80.276,50.908 80.732,51.364 82.624,51.364
3L on Power Plane (split plane): 59.624,29.408 59.624,27.972 59.168,27.516 47.732,27.516 47.276,27.972 47.276,29.408 48.232,30.364 58.668,30.364
3L on Power Plane (split plane): 49.624,46.972 46.146,43.494 46.129,43.469 46.124,43.44 46.124,41.472 45.146,40.494 45.129,40.469 45.124,40.44 45.124,39.016 37.776,39.016 37.776,40.908 39.754,42.886 39.771,42.911 39.776,42.94 39.776,54.364 49.624,54.364
3L on Power Plane (split plane): 39.624,42.972 37.646,40.994 37.629,40.969 37.624,40.94 37.624,39.016 30.232,39.016 28.776,40.472 28.776,54.364 39.624,54.364
3L on Power Plane (split plane): 52.124,44.972 50.646,43.494 50.629,43.469 50.624,43.44 50.624,41.516 46.276,41.516 46.276,43.408 49.754,46.886 49.764,46.901 49.771,46.911 49.776,46.94 49.776,54.364 52.124,54.364
3L on Power Plane (split plane): 14.124,50.908 14.124,37.972 13.668,37.516 11.232,37.516 10.776,37.972 10.776,41.44 10.771,41.469 10.754,41.494 10.254,41.994 10.229,42.011 10.2,42.016 9.276,42.016 9.276,50.908 9.732,51.364 13.668,51.364
3L on Power Plane (split plane): 9.124,50.908 9.124,37.972 8.668,37.516 4.732,37.516 4.276,37.972 4.276,50.908 4.732,51.364 8.668,51.364
3L on Power Plane (split plane): 19.124,50.908 19.124,40.472 18.668,40.016 18.232,40.016 17.776,40.472 17.776,41.44 17.771,41.469 17.754,41.494 17.254,41.994 17.229,42.011 17.2,42.016 14.276,42.016 14.276,50.908 14.732,51.364 18.668,51.364
3L on Power Plane (split plane): 68.124,40.908 68.124,39.972 65.168,37.016 62.276,37.016 62.276,37.44 62.271,37.469 62.262,37.482 62.254,37.494 60.754,38.994 60.729,39.011 60.7,39.016 45.276,39.016 45.276,40.408 46.232,41.364 61.2,41.364 61.229,41.369 61.254,41.386 62.232,42.364 66.668,42.364
3L on Power Plane (split plane): 4,69.49 96,69.49 96.016,69.491 96.249,69.483 96.497,69.456 96.742,69.412 96.984,69.35 97.22,69.272 97.45,69.176 97.673,69.065 97.888,68.937 98.092,68.795 98.287,68.639 98.469,68.469 98.639,68.287 98.795,68.092 98.937,67.888 99.065,67.673 99.176,67.45 99.272,67.22 99.35,66.984 99.412,66.742 99.456,66.497 99.483,66.249 99.491,66.016 99.49,66 99.49,4 99.491,3.984 99.483,3.751 99.456,3.503 99.412,3.258 99.35,3.016 99.272,2.78 99.176,2.55 99.065,2.327 98.937,2.112 98.795,1.908 98.639,1.713 98.469,1.531 98.287,1.361 98.092,1.205 97.888,1.063 97.673,0.935 97.45,0.824 97.22,0.728 96.984,0.65 96.742,0.588 96.497,0.544 96.249,0.517 96.016,0.509 96,0.51 4,0.51 3.984,0.509 3.751,0.517 3.503,0.544 3.258,0.588 3.016,0.65 2.78,0.728 2.55,0.824 2.327,0.935 2.112,1.063 1.908,1.205 1.713,1.361 1.531,1.531 1.361,1.713 1.205,1.908 1.063,2.112 0.935,2.327 0.824,2.55 0.728,2.78 0.65,3.016 0.588,3.258 0.544,3.503 0.517,3.751 0.509,3.984 0.51,4 0.51,66 0.509,66.016 0.517,66.249 0.544,66.497 0.588,66.742 0.65,66.984 0.728,67.22 0.824,67.45 0.935,67.673 1.063,67.888 1.205,68.092 1.361,68.287 1.531,68.469 1.713,68.639 1.908,68.795 2.112,68.937 2.327,69.065 2.55,69.176 2.78,69.272 3.016,69.35 3.258,69.412 3.503,69.456 3.751,69.483 3.984,69.491
3L on Power Plane (split plane): 78.624,37.408 78.624,35.972 78.168,35.516 71.2,35.516 71.171,35.511 71.158,35.502 71.146,35.494 67.668,32.016 66.075,32.016 66.046,32.011 66.033,32.002 66.021,31.994 65.543,31.516 29.2,31.516 29.171,31.511 29.146,31.494 25.146,27.494 25.129,27.469 25.124,27.44 25.124,12.472 20.668,8.016 19.232,8.016 18.276,8.972 18.276,10.908 21.754,14.386 21.764,14.401 21.771,14.411 21.776,14.44 21.776,27.44 21.771,27.469 21.762,27.482 21.754,27.494 20.254,28.994 20.229,29.011 20.2,29.016 14.7,29.016 14.671,29.011 14.646,28.994 9.668,24.016 6.232,24.016 5.776,24.472 5.776,25.44 5.776,26.908 12.48,33.612 43.8,33.612 43.829,33.617 43.854,33.634 45.084,34.864 67.2,34.864 67.229,34.869 67.254,34.886 70.232,37.864 78.168,37.864
3L on Power Plane (split plane): 28.624,40.44 28.629,40.411 28.646,40.386 30.146,38.886 30.158,38.878 30.171,38.869 30.2,38.864 60.668,38.864 62.124,37.408 62.124,36.972 61.268,36.116 43.492,36.116 43.463,36.111 43.438,36.094 42.76,35.416 22.832,35.416 21.276,36.972 21.276,52.908 22.732,54.364 28.624,54.364
3L on Power Plane (split plane): 17.624,41.408 17.624,40.44 17.629,40.411 17.646,40.386 18.124,39.908 18.124,37.472 17.168,36.516 12.2,36.516 12.171,36.511 12.146,36.494 3.646,27.994 3.629,27.969 3.624,27.94 3.624,24.472 2.918,23.766 1.982,23.766 1.526,24.222 1.526,28.658 2.254,29.386 2.262,29.398 2.271,29.411 2.276,29.44 2.276,41.408 2.732,41.864 4.124,41.864 4.124,37.94 4.129,37.911 4.146,37.886 4.646,37.386 4.658,37.378 4.671,37.369 4.7,37.364 8.7,37.364 8.729,37.369 8.754,37.386 9.254,37.886 9.271,37.911 9.276,37.94 9.276,41.864 10.168,41.864 10.624,41.408 10.624,37.94 10.629,37.911 10.646,37.886 11.146,37.386 11.171,37.369 11.2,37.364 13.7,37.364 13.729,37.369 13.754,37.386 14.254,37.886 14.271,37.911 14.276,37.94 14.276,41.864 17.168,41.864
3L on Power Plane (split plane): 19.624,26.408 19.624,16.972 15.146,12.494 15.129,12.469 15.124,12.44 15.124,8.91 15.129,8.881 15.146,8.856 19.716,4.286 19.741,4.269 19.77,4.264 56.7,4.264 56.729,4.269 56.754,4.286 63.754,11.286 63.764,11.301 63.771,11.311 63.776,11.34 63.776,23.908 64.532,24.664 66.268,24.664 67.024,23.908 67.024,8.872 59.968,1.816 15.432,1.816 9.276,7.972 9.276,12.908 16.754,20.386 16.771,20.411 16.776,20.44 16.776,26.408 17.232,26.864 19.168,26.864

## Other copper
Top Copper:
  drawing of 19 lines, arcs and shapes, not listed
Bottom Copper:
  region: 71.36,45.16
Ground Plane (plane layer: these items are gaps in the copper):
  lines w0.15: 21.2,36.94 21.2,52.94 22.7,54.44 ; 21.4,36.74 23.436,36.74 24.336,35.84 65.4,35.84 65.754,36.194 ; 23.047,54.44 26.1,54.44 28.4,56.74 56.4,56.74 ; 56.667,56.473 60.2,52.94 60.2,44.44 62.2,42.44 66.7,42.44 68.2,40.94 68.2,38.64 66,36.44
Power Plane (plane layer: these items are gaps in the copper):
  lines w0.15: 4.2,41.94 2.7,41.94 2.2,41.44 2.2,29.44 1.45,28.69 1.45,24.19 1.95,23.69 2.95,23.69 3.7,24.44 3.7,27.94 12.2,36.44 17.2,36.44 18.2,37.44 18.2,39.94 ; 9.2,41.94 10.2,41.94 10.7,41.44 10.7,37.94 11.2,37.44 13.7,37.44 14.2,37.94 14.2,50.94 ; 14.2,41.94 17.2,41.94 17.7,41.44 17.7,40.44 18.2,39.94 ; 37.7,38.94 37.7,40.94 39.7,42.94 39.7,54.44 ; 45.2,38.94 45.2,40.44 46.2,41.44 ; 49.7,54.44 49.7,46.94 46.2,43.44 46.2,41.44 ; 50.7,41.44 50.7,43.44 52.2,44.94 52.2,54.44 ; 53.7,41.44 53.7,43.44 54.7,44.44 54.7,54.44 ; 57.2,41.44 57.2,54.44 ; 80.95,37.94 80.95,43.69 82.7,45.44 82.7,51.44 ; 85.2,37.94 85.2,38.94 84.95,39.19 82.95,39.19 82.7,39.44 82.7,42.44 85.2,44.94 85.2,51.44 ; 87.7,37.94 87.7,51.44 ; 9.2,50.94 8.7,51.44 4.7,51.44 4.2,50.94 4.2,37.94 4.7,37.44 8.7,37.44 9.2,37.94 9.2,50.94 ; 9.2,50.94 9.7,51.44 13.7,51.44 14.2,50.94 ; 14.2,50.94 14.7,51.44 18.7,51.44 19.2,50.94 19.2,40.44 18.7,39.94 18.2,39.94 ; 28.7,54.44 58.7,54.44 ; 28.7,54.44 22.7,54.44 21.2,52.94 21.2,36.94 22.8,35.34 42.792,35.34 43.492,36.04 61.3,36.04 62.2,36.94 ; 28.7,54.44 28.7,40.44 30.2,38.94 60.7,38.94 62.2,37.44 62.2,36.94 ; 46.2,41.44 60.2,41.44 ; 58.7,54.44 60.2,52.94 ; 58.7,54.44 58.7,54.44 ; 60.2,41.44 61.2,41.44 62.2,42.44 66.7,42.44 ; 60.2,41.44 60.2,52.94 ; 60.2,52.94 65.5,52.94 66.7,51.74 66.7,42.44 ; 62.2,36.94 65.2,36.94 68.2,39.94 68.2,40.94 66.7,42.44 ; 66.7,42.44 66.7,42.44 ; 75.2,39.94 75.2,39.94 ; 75.2,39.94 75.7,39.44 78.7,39.44 ; 75.2,39.94 74.7,39.44 70.7,39.44 70.2,39.94 70.2,50.94 70.7,51.44 74.7,51.44 75.2,50.94 ; 75.2,39.94 75.2,50.94 ; 75.2,50.94 75.7,51.44 79.7,51.44 80.2,50.94 ; 78.7,39.44 80.2,37.94 90.7,37.94 91.7,38.94 91.7,49.44 89.7,51.44 81.7,51.44 80.7,51.44 80.2,50.94 ; 78.7,39.44 79.2,39.94 79.2,45.44 80.2,46.44 80.2,50.94 ; 5.7,24.44 6.2,23.94 9.7,23.94 14.7,28.94 20.2,28.94 21.7,27.44 21.7,14.44 18.2,10.94 18.2,8.94 19.2,7.94 20.7,7.94 25.2,12.44 25.2,27.44 29.2,31.44 65.575,31.44 66.075,31.94 67.7,31.94 71.2,35.44 73.7,35.44 78.2,35.44 78.7,35.94 78.7,37.44 78.2,37.94 70.2,37.94 67.2,34.94 45.052,34.94 43.8,33.688 12.448,33.688 5.7,26.94 5.7,25.44 5.7,24.44 ; 9.2,7.94 9.2,12.94 16.7,20.44 16.7,26.44 17.2,26.94 19.2,26.94 19.7,26.44 19.7,16.94 15.2,12.44 15.2,8.91 19.77,4.34 56.7,4.34 63.7,11.34 63.7,23.94 64.5,24.74 66.3,24.74 67.1,23.94 67.1,8.84 60,1.74 15.4,1.74 9.2,7.94 ; 47.2,27.94 47.7,27.44 59.2,27.44 59.7,27.94 59.7,29.44 58.7,30.44 48.2,30.44 47.2,29.44 47.2,27.94 ; 54.9,60.74 58,57.64 59.7,57.64 60.1,58.04 60.1,58.74 57,61.84 57,64.54 56.4,65.14 55.3,65.14 54.9,64.74 54.9,60.74 ; 82.2,28.44 82.7,27.94 95.2,27.94 95.7,28.44 95.7,29.94 95.2,30.44 82.7,30.44 82.2,29.94 82.2,28.44

## Silkscreen, mask and mechanical layers (free items; w line width, h text height)
Top Overlay:
  drawing of 58 lines, arcs and shapes, not listed
Bottom Overlay:
  drawing of 85 lines, arcs and shapes, not listed
Top Mask:
  drawing of 39 lines, arcs and shapes, not listed
Board Outline:
  the board outline again, w0.1

## Dimensions
0,4 to 100,4 on Dimension
4,0 to 4,70 on Dimension

## Text inside footprints (layer, text, board x,y; h text height)
C224: Top Overlay "+" at 98.4,46.64 h1; Top 3D Body "+" at 97.95,46.19 h1.5
C243: Top Overlay "+" at 84.6,39.64 h1; Top 3D Body "+" at 84.58,39.55 h0.8
C244: Top Overlay "+" at 89.9,39.64 h1; Top 3D Body "+" at 89.78,39.55 h0.8
C258: Top Overlay "+" at 62.4,40.34 h1 r180; Top 3D Body "+" at 62.7,40.69 h1.5 r180
C265: Top Overlay "+" at 38.8,40.34 h1 r180; Top 3D Body "+" at 39.2,40.69 h1.5 r180
C271: Top Overlay "+" at 30.1,40.34 h1 r180; Top 3D Body "+" at 30.576,40.73 h1.5 r180
C275: Top Overlay "+" at 1.7,25.19 h1 r180; Top 3D Body "+" at 1.7,25.04 h0.8 r180
C276: Top Overlay "+" at 11.3,24.84 h1 r180; Top 3D Body "+" at 11.3,24.74 h0.8 r180
D203: Top 3D Body "K" at 1.295,8.459 h1 r90
D204: Top 3D Body "K" at 0.695,21.459 h1 r270
J200: Bottom Overlay "4" at 90.75,23.4 h1; Bottom Overlay "1" at 95.55,16.4 h1
J201: Bottom Overlay "20" at 82.45,10.41 h1 r180; Bottom Overlay "1" at 57.33,17.41 h1 r180
J202: Bottom Overlay "20" at 57.73,59.59 h1; Bottom Overlay "1" at 82.85,52.59 h1
J203: Bottom Overlay "20" at 57.05,10.41 h1 r180; Bottom Overlay "1" at 31.93,17.41 h1 r180
J204: Bottom Overlay "20" at 32.33,59.59 h1; Bottom Overlay "1" at 57.45,52.59 h1
J205: Bottom Overlay "26" at 22.386,18.83 h1 r90; Bottom Overlay "1" at 29.386,51.57 h1 r90
J208: Top Overlay "6" at 61.158,8.391 h1; Top Overlay "1" at 69.31,8.39 h1
J209: Top Overlay "8" at 62.788,23.618 h1; Top Overlay "1" at 73.48,23.49 h1
J210: Top Overlay "4" at 26.6,4.09 h1; Top Overlay "1" at 32.14,3.99 h1
J211: Top Overlay "6" at 49.603,8.391 h1; Top Overlay "1" at 57.755,8.39 h1
J212: Top Overlay "6" at 76.842,23.491 h1; Top Overlay "1" at 84.994,23.49 h1
J213: Top Overlay "1" at 21.48,3.99 h1; Top Overlay "8" at 10.788,4.118 h1
J214: Top Overlay "6" at 88.342,23.491 h1; Top Overlay "1" at 96.494,23.49 h1
J215: Top Overlay "1" at 78.335,8.38 h1; Top Overlay "4" at 72.795,8.48 h1
J216: Top Overlay "1" at 87.235,8.38 h1; Top Overlay "4" at 81.8,8.54 h1
J217: Top Overlay "1" at 50.559,23.49 h1; Top Overlay "4" at 45.019,23.59 h1
J218: Top Overlay "1" at 59.459,23.49 h1; Top Overlay "4" at 53.919,23.59 h1
J219: Bottom Overlay "1" at 8.368,62.305 h1; Bottom Overlay "4" at 15.607,67.639 h1
J220: Bottom Overlay "1" at 8.368,1.345 h1; Bottom Overlay "4" at 15.607,6.679 h1
J221: Bottom Overlay "40" at 88.63,68.63 h1 r180; Bottom Overlay "1" at 35.96,63.38 h1 r180
J222: Bottom Overlay "40" at 88.63,7.67 h1 r180; Bottom Overlay "1" at 35.96,2.42 h1 r180
J229: Top Overlay "8" at 35.588,8.518 h1; Top Overlay "1" at 46.28,8.39 h1
J241: Top Overlay "8" at 30.988,23.618 h1; Top Overlay "1" at 41.68,23.49 h1